# KiCad board type-c-card_lexxpluss_2023.kicad_pcb (continued)
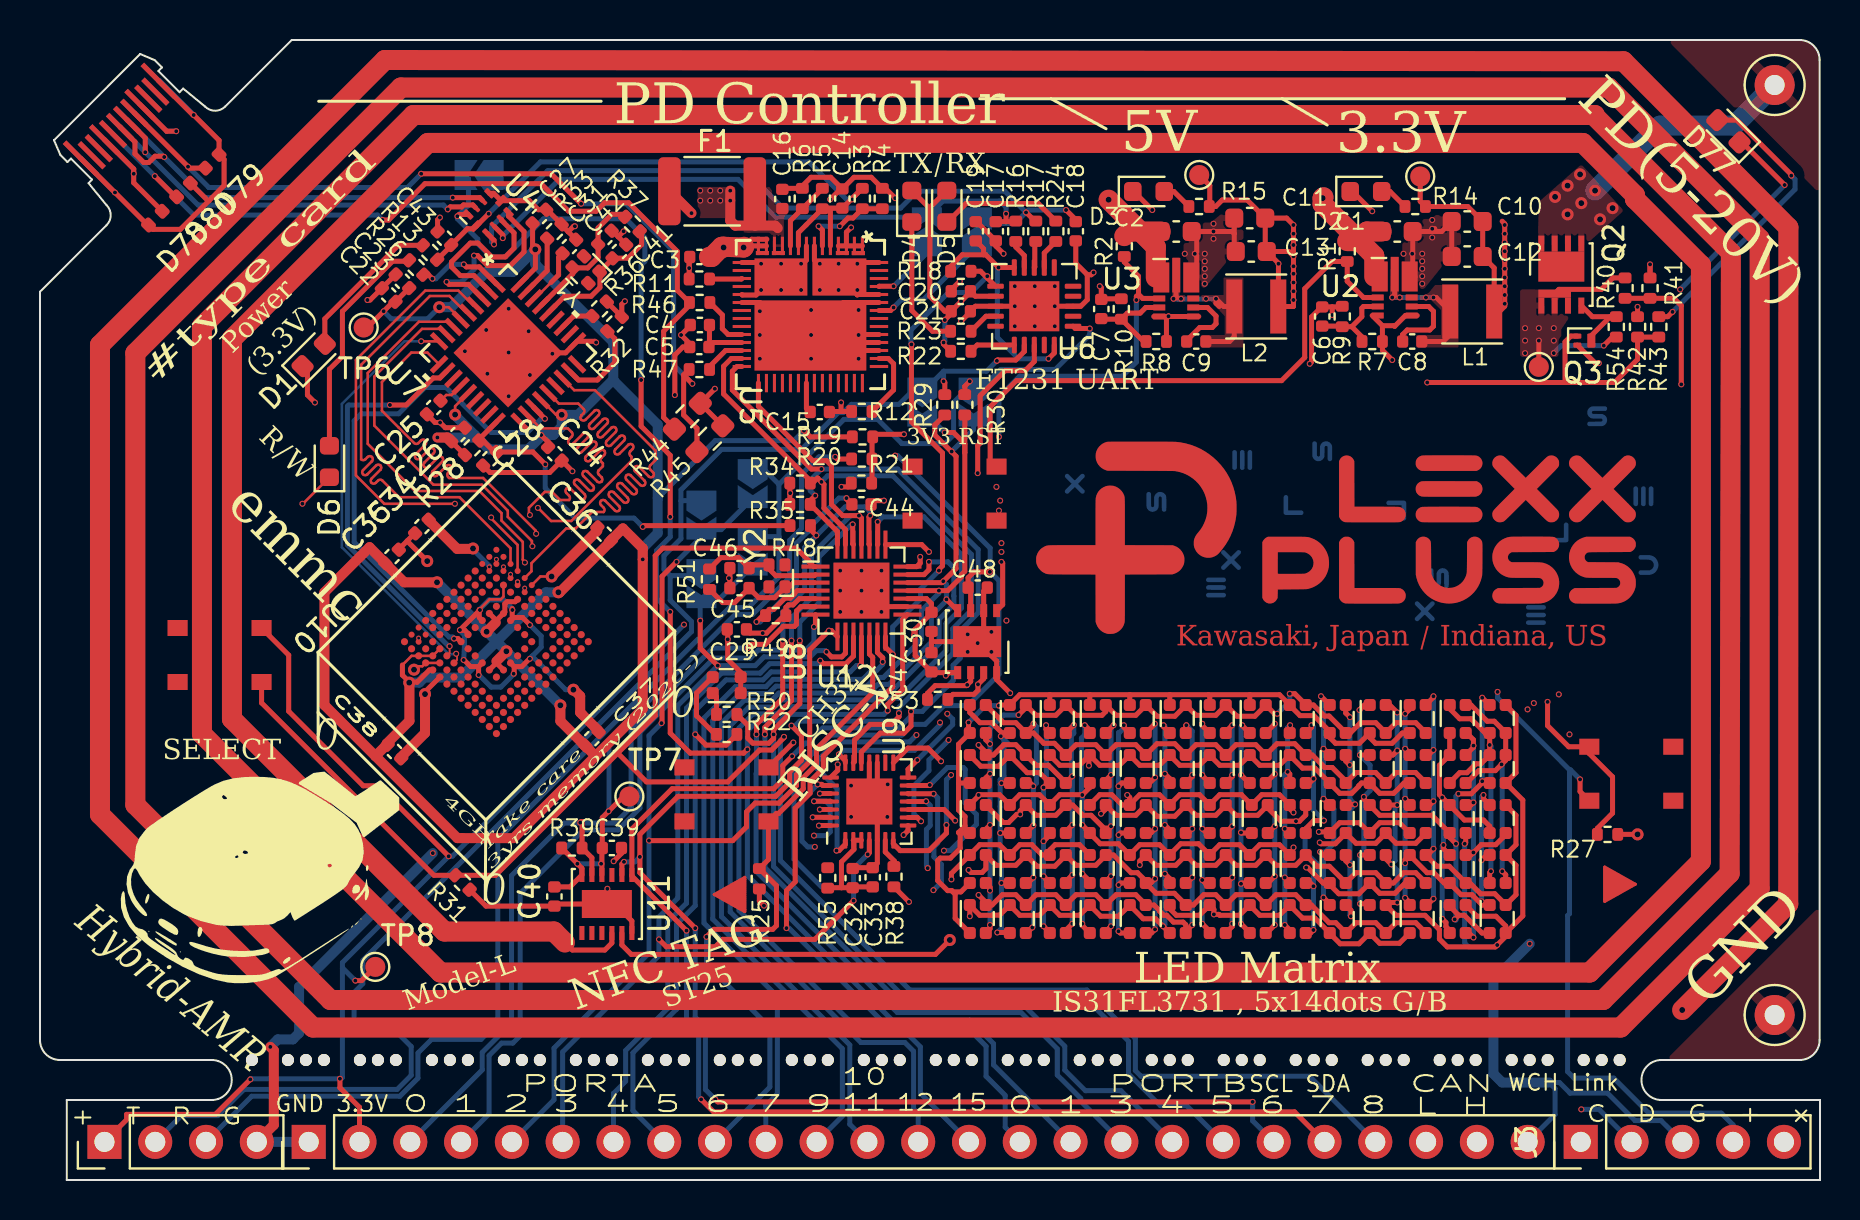
[diagram p0: board, top side]
## Routing (per net, layer and track width the routed paths; a pad name or vN(x,y) marks a point on that pad's centre or on a via; arc(x,y) is an arc through that point) (continued)
  In2.Cu w0.25: 45.9,18.06 45.8,17.97 v2(45.77,17.97) 46.52,18.72 48.58,18.72 v2(49.02,18.28) ; v2(55,15.75) 54.44,15.19 v2(53.56,15.19)
  Bottom w0.25: v2(53.56,12.69) v2(53.56,15.19) v2(53.56,17.69) v2(53.56,20.25) 53.56,22.61 v2(53.69,22.74)
Net-(D11-K1): length 64.1
  Top w0.25: U9.25 39.53,18.94 v2(38.71,18.94) ; D48.1 56.5,13.56 56.83,13.23 57.99,13.23 D49.1 58.5,13.73 58.71,13.53 v2(58.71,13.28) 58.95,13.28 59,13.23 59.99,13.23 D50.1 60.5,13.73 61,13.23 61.99,13.23 D51.1 62.5,13.73 63.14,13.09 63.76,13.09 D56.3 64.5,12.33 65.02,11.81 65.96,11.81 D65.3 66.5,12.33 67,11.83 67.99,11.83 D73.3 ; v2(53.94,17.25) 54.04,17.35 D29.3 ; D37.1 52.5,16.31 ; D37.1 51.99,16.77 50.76,16.77 50.5,16.5 D36.1 50.12,16.25 49.6,16.77 49,16.77 48.5,16.27 D35.1 47.99,16.77 47,16.77 46.5,16.27 D34.1 45.58,15.33 v2(45.58,15.03) ; D37.1 52.5,16.19 ; D37.1 52.5,16.23 ; D38.3 54.04,14.85 v2(53.94,14.75) ; v2(53.94,12.44) 54.03,12.35 D47.3 54.5,12.37 ; D11.3 54.2,22.65 v2(54.2,22.74) ; v2(53.94,19.69) 54.1,19.85 D20.3
  In2.Cu w0.25: v2(58.71,13.28) 58.69,13.26 54.76,13.26 v2(53.94,12.44) ; v2(38.71,17.22) 39.08,17.22 39.33,16.97 41.59,16.97 43.53,15.03 v2(45.58,15.03) 46.5,15.03 46.81,15.34 46.81,15.75 46.88,15.69 52.75,15.69 52.75,15.11 53.11,14.75 v2(53.94,14.75)
  Bottom w0.25: v2(54.2,22.74) 54.2,22.59 53.99,22.37 53.94,22.37 v2(53.94,19.69) v2(53.94,14.75) v2(53.94,12.44) ; v2(38.71,18.94) 39.3,18.94 39.52,18.72 39.52,17.41 39.33,17.22 v2(38.71,17.22)
Net-(D11-K2): length 48.6
  Top w0.25: v2(55.76,17.56) 55.55,17.35 D29.4 ; D73.4 69.3,12.37 68.8,12.86 67.81,12.86 D65.4 67.3,12.37 66.8,12.86 65.81,12.86 D56.4 65.3,12.37 64.8,12.86 64.47,12.86 63.58,13.75 D51.2 63.3,13.77 62.8,14.27 61.81,14.27 D50.2 61.3,13.77 60.8,14.27 59.81,14.27 D49.2 59.3,13.77 58.8,14.27 58.2,14.27 57.68,13.75 D48.2 57.3,13.77 56.73,14.33 55.81,14.33 D38.4 ; v2(55.76,15.06) 55.55,14.85 D38.4 ; D47.4 55.58,12.35 v2(55.76,12.53) ; D38.4 55.3,14.95 54.88,15.36 54.57,15.36 53.68,16.25 D37.2 53.3,16.23 52.8,15.73 51.81,15.73 D36.2 51.3,16.23 50.75,15.69 49.86,15.69 D35.2 49.3,16.23 48.8,15.73 47.81,15.73 D34.2 47.3,15.56 47.11,15.38 46.56,15.38 v2(46.44,15.5) ; D20.4 55.49,19.85 v2(55.76,20.12) ; v2(55.75,22.81) 55.75,22.8 D11.4 ; U9.11 44.3,18.92 v2(44.31,18.94)
  In2.Cu w0.25: v2(46.44,15.5) 46.28,15.66 44.46,15.66 v2(44.39,15.59)
  Bottom w0.25: 44.43,15.63 44.33,15.72 44.33,17.53 44.52,17.72 44.52,18.73 v2(44.31,18.94) ; v2(55.75,22.81) 55.76,22.8 v2(55.76,20.12) v2(55.76,17.56) v2(55.76,15.06) v2(55.76,12.53)
Net-(D12-K1): length 69
  Top w0.25: U9.26 39.54,18.52 v2(39,18.52) ; v2(56.25,17.75) 56.5,17.5 D30.3 ; v2(70.12,13.06) 70.31,12.88 70.31,12.67 70.5,12.48 D66.3 ; v2(56.19,22.74) 56.19,22.66 D12.3 ; D57.3 D58.1 69.99,20.73 69.99,19.27 v2(70.12,19.12) D59.1 70.5,18.73 71.23,18 72.19,18 72.5,17.69 D74.3 ; D48.3 v2(56.16,12.69) 55.79,13.06 55.17,13.06 54.5,13.73 D47.1 53.94,13.19 53.05,13.19 52.5,13.73 D46.1 51.99,13.23 51,13.23 50.5,13.73 D45.1 49.99,13.23 49,13.23 48.5,13.73 D44.1 47.99,13.24 47.61,13.24 47.6,13.23 47,13.23 46.5,13.73 D43.1 v2(46.5,13.19) ; D60.1 70.19,16.56 v2(70.19,16.75) ; v2(56.25,15.31) 56.5,15.07 D39.3 ; D21.3 56.5,20.07 v2(56.25,20.31)
  In2.Cu w0.25: v2(56.25,20.31) 56.25,19.93 57.25,18.94 60.8,18.94 61.37,19.5 63.86,19.5 64.2,19.84 69.41,19.84 v2(70.12,19.12) ; v2(39,18.52) 38.33,18.52 38.14,18.34 38.14,14.84 39.8,13.19 v2(46.5,13.19)
  Bottom w0.25: v2(70.12,19.12) 70.19,19.06 v2(70.19,16.75) 70.12,16.69 v2(70.12,13.06) ; v2(56.19,22.74) 56.25,22.67 v2(56.25,20.31) v2(56.25,17.75) v2(56.25,15.31) 56.25,12.78 v2(56.16,12.69)
Net-(D12-K2): length 64.5
  Top w0.25: v2(57.62,15.12) 57.35,14.85 D39.4 ; v2(57.62,20.25) 57.62,20.17 D21.4 ; U9.12 43.43,19.31 v2(44.69,19.31) ; D12.4 57.3,22.71 v2(57.33,22.74) ; D57.4 71.35,22.35 71.69,22.01 v2(71.69,21.72) 71.69,21.64 D58.2 ; v2(57.62,12.75) 57.3,12.42 D48.4 57.3,12.76 57.17,12.89 56.69,12.89 56.35,13.23 56.2,13.23 55.99,13.45 55.99,13.48 55.71,13.75 D47.2 55.3,13.77 54.8,14.27 53.81,14.27 D46.2 53.3,13.77 52.8,14.27 51.81,14.27 D45.2 51.3,13.77 50.8,14.27 49.81,14.27 D44.2 49.3,13.77 48.8,14.27 48.13,14.27 47.61,13.75 D43.2 47.3,13.89 v2(46.94,14.25) ; D74.4 73.3,17.26 72.8,16.77 72.08,16.77 v2(71.69,16.38) 71.56,16.25 D60.2 ; v2(71.69,12.12) 71.46,12.35 D66.4 ; D59.2 71.56,18.75 v2(71.69,18.88) ; v2(57.62,17.56) 57.41,17.35 D30.4
  In2.Cu w0.25: v2(71.69,21.72) 71.14,21.72 70.71,22.16 64.12,22.16 63.9,21.93 59.18,21.93 57.62,20.38 v2(57.62,20.25) ; v2(44.68,14.49) 44.67,14.5 44.69,14.5 44.94,14.25 v2(46.94,14.25)
  Bottom w0.25: v2(57.33,22.74) 57.62,22.44 v2(57.62,20.25) v2(57.62,17.56) v2(57.62,15.12) v2(57.62,12.75) ; v2(44.68,14.49) 45.08,14.89 45.08,15.78 44.71,16.16 44.71,16.66 44.89,16.84 44.89,19.11 v2(44.69,19.31) ; 71.69,22.01 v2(71.69,21.72) v2(71.69,18.88) v2(71.69,16.38) v2(71.69,12.12)
Net-(D13-K1): length 77.4
  Top w0.25: D49.3 58.5,12.44 v2(58.12,12.81) ; D55.1 64.18,16.25 v2(64.02,16.41) ; v2(58.12,20.25) 58.12,20.22 D22.3 ; D40.3 58.28,14.85 v2(58.12,15) ; D31.3 58.34,17.35 v2(58.12,17.56) ; v2(38.64,18.13) 39.53,18.13 U9.27 ; D58.3 70.5,19.87 71,20.36 71.37,20.36 71.81,20.81 72.06,20.81 D68.1 v2(72.5,21.75) D67.3 72.28,22.35 71.56,23.06 71,23.06 70.5,23.56 D57.1 ; v2(72.56,15.44) 72.5,15.38 D75.3 ; v2(58.12,22.81) 58.12,22.72 D13.3 ; D56.1 64.5,13.81 v2(64.19,14.12) ; D54.1 v2(64.19,19.06) ; D53.1 v2(64.19,21.56) ; v2(64.06,24.19) D52.1
  In2.Cu w0.25: v2(64.19,21.56) 64.41,21.78 66.33,21.78 67.02,21.09 71.84,21.09 v2(72.5,21.75) ; v2(38.64,18.13) 39.22,18.13 39.66,17.7 42.18,17.7 43.47,16.41 44.46,16.41 45.05,17 45.43,17 45.62,16.81 49.29,16.81 49.84,17.36 50.32,17.36 50.81,16.88 54.24,16.88 54.33,16.97 57.77,16.97 58.12,17.32 v2(58.12,17.56) 58.78,18.22 60.64,18.22 61.59,19.16 64.09,19.16 v2(64.19,19.06)
  Bottom w0.25: v2(72.56,15.44) 72.56,21.69 v2(72.5,21.75) ; v2(58.12,22.81) v2(58.12,20.25) v2(58.12,17.56) v2(58.12,15) v2(58.12,12.81) ; v2(64.06,24.19) 64.19,24.06 v2(64.19,21.56) v2(64.19,19.06) 64.71,18.54 64.71,16.83 64.28,16.41 v2(64.02,16.41) 64.19,16.24 v2(64.19,14.12)
Net-(D13-K2): length 75.6
  Top w0.25: v2(65.5,20.75) 65.3,20.95 D53.2 ; D56.2 65.56,13.49 v2(65.56,13.19) ; D54.2 65.33,18.78 v2(65.77,18.78) ; v2(59.62,17.69) 59.3,17.36 D31.4 ; D58.4 71.34,19.85 71.96,20.47 72.78,20.47 v2(73.09,20.78) 73.3,20.99 D68.2 D67.4 73.3,22.37 72.73,22.94 72.38,22.94 71.56,23.75 D57.2 ; v2(44.5,19.75) 44.47,19.72 U9.13 ; D49.4 59.62,12.67 v2(59.62,12.81) ; v2(59.62,22.74) 59.3,22.41 D13.4 ; D40.4 59.35,14.85 v2(59.62,15.12) ; D52.2 65.3,23.35 v2(65.51,23.14) ; D22.4 59.62,20.17 v2(59.62,20.25) ; v2(65.51,15.75) 65.3,15.96 D55.2 ; v2(73.12,15.44) 73.3,15.26 D75.4
  In2.Cu w0.25: v2(45.21,16.47) 54.46,16.47 54.62,16.63 58.57,16.63 v2(59.62,17.69) ; v2(73.09,20.78) 73.06,20.75 v2(65.5,20.75) 65.12,21.12 60.31,21.12 59.62,20.44 v2(59.62,20.25)
  Bottom w0.25: v2(44.5,19.75) 45.38,20.62 46.18,20.62 46.27,20.53 46.27,18.84 46.83,18.28 46.83,17.78 45.52,16.47 v2(45.21,16.47) ; v2(59.62,12.81) v2(59.62,15.12) v2(59.62,17.69) v2(59.62,20.25) v2(59.62,22.74) ; v2(73.12,15.44) 73.12,20.75 v2(73.09,20.78) ; v2(65.56,13.19) 65.51,13.24 v2(65.51,15.75) 65.51,18.52 v2(65.77,18.78) 65.51,19.04 v2(65.51,23.14)
Net-(D14-K1): length 76.7
  Top w0.25: v2(60.06,14.81) 60.1,14.85 D41.3 ; v2(60.06,12.81) 60.5,12.38 D50.3 ; D32.3 60.09,17.35 v2(60.06,17.38) ; v2(70.81,16.81) 70.5,17.12 D59.3 69.62,18.23 67,18.23 66.5,18.73 D63.1 66.21,19.04 v2(66.21,19.16) ; U9.28 38.96,17.72 v2(38.96,17.72) ; D61.1 66.24,23.75 v2(65.99,23.5) ; v2(70.94,19.31) 71.58,19.31 72.12,19.86 v2(72.12,19.94) 72.21,19.85 D68.3 ; D14.3 60.12,22.72 v2(60.12,22.74) ; D23.3 60.47,19.85 v2(60.07,20.25) ; 70.5,13.88 D66.1 70.5,13.69 70.95,13.23 ; 70.95,13.23 v2(70.75,13.03) ; 70.95,13.23 71.23,13.23 72.12,12.35 D76.3 ; D64.1 v2(66.02,16.25) ; v2(72.12,24.11) 72.49,23.75 D67.1 ; v2(66.02,13.81) 66.44,13.81 D65.1 ; v2(66.01,21.25) D62.1
  In2.Cu w0.25: v2(38.96,17.72) 39.16,17.72 39.56,17.31 41.88,17.31 43.16,16.03 46.56,16.03 46.66,16.13 58.81,16.13 v2(60.06,17.38) 60.25,17.19 62.66,17.19 64.19,15.66 64.52,15.66 65.11,16.25 v2(66.02,16.25)
  Bottom w0.25: v2(60.06,12.81) v2(60.06,14.81) v2(60.06,17.38) 60.06,20.24 v2(60.07,20.25) 60.07,22.68 v2(60.12,22.74) ; v2(66.02,13.81) v2(66.02,16.25) 66.21,16.44 v2(66.21,19.16) 66.52,19.47 66.52,20.74 v2(66.01,21.25) 66.01,23.48 v2(65.99,23.5) ; v2(70.94,19.31) 70.81,19.19 v2(70.81,16.81) 70.81,13 v2(70.75,13.03) ; v2(72.12,24.11) v2(72.12,19.94)
Net-(D14-K2): length 84.6
  Top w0.25: v2(67.88,13.88) 67.43,13.88 D65.2 67.81,13.23 69.26,13.23 69.99,12.52 69.99,12.05 70.38,11.66 72.78,11.66 v2(72.88,11.75) 73.3,12.17 D76.4 ; D41.4 61.41,14.85 v2(61.75,15.19) ; v2(67.88,21.47) 67.65,21.25 D62.2 ; D61.2 67.5,23.75 v2(67.88,23.38) ; D32.4 61.41,17.35 v2(61.75,17.69) ; D14.4 61.75,22.8 v2(61.75,22.81) ; D64.2 67.3,16.06 v2(67.58,15.78) ; D76.4 73.3,12.7 72.81,13.19 71.86,13.19 D66.2 ; D76.4 74.16,13.2 74.16,19 D68.4 73.81,20.36 73.81,23.23 D67.2 ; v2(61.75,20.3) D23.4 ; U9.14 43.41,20.54 v2(43.88,21) ; v2(61.75,12.75) 61.35,12.35 D50.4 ; D63.2 v2(67.88,18.75) ; v2(71.25,16.81) 71.3,16.86 D59.4
  In2.Cu w0.25: v2(67.88,18.75) 67.34,18.22 65.58,18.22 65.33,18.47 64.02,18.47 63.66,18.82 62.19,18.82 61.75,18.39 v2(61.75,17.69) ; v2(45.38,23.31) 48.47,23.31 48.78,23.62 49.09,23.62 49.31,23.41 61.16,23.41 v2(61.75,22.81)
  Bottom w0.25: v2(67.88,23.38) v2(67.88,21.47) v2(67.88,18.75) 67.77,18.64 67.77,15.97 v2(67.58,15.78) 67.88,15.49 v2(67.88,13.88) ; v2(45.38,23.31) 45.64,23.04 45.64,22.77 v2(43.88,21) ; v2(61.75,22.81) v2(61.75,20.3) v2(61.75,17.69) v2(61.75,15.19) v2(61.75,12.75) ; v2(72.88,11.75) 72.78,11.66 71.44,11.66 71.25,11.84 v2(71.25,16.81)
Net-(D15-K1): length 96
  Top w0.25: v2(62.25,12.75) 62.5,12.5 D51.3 ; D74.1 72.19,19.06 v2(72.19,19.25) ; D71.1 68.5,18.83 v2(68.27,19.06) ; v2(68.27,15.84) 68.27,16.02 D72.1 68.5,16.23 69.37,15.36 69.7,15.36 70.22,14.85 D60.3 70.5,14.83 71.07,14.27 71.61,14.27 72.12,13.75 D76.1 ; D33.3 62.46,17.35 v2(62.25,17.56) ; v2(68.27,21.56) 68.5,21.33 D70.1 ; D69.1 68.5,23.54 v2(68.27,23.31) ; D75.1 72.34,16.25 v2(72.09,16) ; D73.1 68.5,13.88 v2(68.27,14.1) ; D24.3 62.5,20.3 v2(62.39,20.41) ; D42.3 62.5,14.88 v2(62.25,15.12) ; v2(62.52,22.74) 62.5,22.72 D15.3 ; U9.1 40.28,16.79 39.96,16.47 v2(39.83,16.47)
  In2.Cu w0.25: v2(62.52,22.74) 62.98,22.28 63.77,22.28 64.08,22.59 67.62,22.59 68.27,23.24 v2(68.27,23.31) ; v2(62.39,20.41) 62.58,20.59 65.12,20.59 65.34,20.38 73.22,20.38 73.47,20.63 73.47,21.31 72.28,22.5 63.98,22.5 63.76,22.27 59.04,22.27 58.61,21.84 49.9,21.84 49.33,21.28 45.4,21.28 44.43,22.25 v2(43.83,22.25)
  Bottom w0.25: v2(72.19,19.25) 72.09,19.16 v2(72.09,16) v2(72.09,13.94) ; v2(68.27,23.31) v2(68.27,21.56) v2(68.27,19.06) v2(68.27,14.1) ; v2(62.52,22.74) 62.39,22.62 v2(62.39,20.41) 62.25,20.26 v2(62.25,17.56) v2(62.25,15.12) v2(62.25,12.75) ; v2(43.83,22.25) 43.49,21.91 39.82,21.91 38.89,20.98 38.89,20.54 39.86,19.57 39.86,16.5 v2(39.83,16.47)
Net-(D15-K2): length 67.6
  Top w0.25: v2(63.69,12.5) 63.54,12.35 D51.4 ; D70.2 69.44,21.25 v2(69.69,21.5) ; D74.2 73.81,18.23 73.81,16.77 D75.2 73.81,15.73 73.81,14.27 D76.2 73.3,13.77 72.75,14.31 72.04,14.31 71.51,14.85 D60.4 71.3,14.87 70.48,15.69 69.86,15.69 D72.2 69.38,16.25 v2(69.69,16.56) ; v2(69.69,14.06) 69.38,13.75 D73.2 ; D24.4 63.47,19.85 v2(63.69,20.06) ; v2(64.21,17.97) 63.71,17.97 63.3,17.56 D33.4 ; v2(45.06,20.94) 44.41,21.59 43.41,21.59 42.68,20.86 ; D42.4 63.53,14.85 v2(63.69,14.69) ; D71.2 69.5,18.75 v2(69.69,18.94) ; v2(69.69,24.19) 69.69,24.14 D69.2 ; v2(63.59,22.74) 63.59,22.64 D15.4
  In2.Cu w0.25: v2(69.69,18.94) 68.56,17.81 65.49,17.81 65.33,17.97 v2(64.21,17.97) ; v2(45.06,20.94) 45.26,20.94 45.52,20.68 47.35,20.68 47.36,20.69 49.22,20.69 50,21.47 56.1,21.47 56.89,20.68 56.89,20.12 57.42,19.59 60.98,19.59 61.23,19.84 63.47,19.84 v2(63.69,20.06)
  Bottom w0.25: v2(63.69,12.5) v2(63.69,14.69) 63.69,15.14 63.85,15.3 63.85,15.83 63.27,16.41 63.27,17.53 63.71,17.97 v2(64.21,17.97) 63.69,18.49 v2(63.69,20.06) 63.69,22.64 v2(63.59,22.74) ; v2(69.69,14.06) v2(69.69,16.56) v2(69.69,18.94) v2(69.69,21.5) v2(69.69,24.19)
Net-(D16-A1): length 60.2
  Top w0.25: D71.3 67.99,17.86 67,17.86 66.5,17.37 D63.3 65.99,17.86 65,17.86 64.5,17.37 D54.3 64.44,17.41 v2(63.96,17.41) ; D9.3 50.31,22.54 v2(50.31,22.74) ; D28.1 52.5,18.77 53,19.27 53.6,19.27 54.12,18.75 D29.1 ; D16.1 46.5,21.23 47.05,20.69 47.94,20.69 D17.1 48.5,21.23 49.37,20.36 49.99,20.36 D18.3 50.41,19.85 v2(50.19,19.62) ; v2(50.19,12.69) 50.5,12.38 D45.3 ; D29.1 54.5,19.12 v2(54.38,19.25) ; D29.1 54.5,18.77 55,19.27 55.99,19.27 D30.1 56.5,18.77 57,19.27 57.99,19.27 D31.1 58.5,18.77 59,19.27 60.09,19.27 D32.1 60.6,18.77 61.1,19.27 61.99,19.27 D33.1 62.5,18.56 v2(62.69,18.38) ; U9.23 39.15,19.72 39.09,19.78 v2(38.89,19.78) ; D27.3 50.5,17.25 v2(50.19,16.94) ; D36.3 50.5,14.88 v2(50.19,15.19)
  In2.Cu w0.25: v2(50.19,19.62) 52.44,19.62 52.81,19.25 v2(54.38,19.25) ; v2(63.96,17.41) 63.83,17.41 63.32,17.92 63.32,18.11 63.06,18.38 v2(62.69,18.38) ; v2(50.19,15.19) 50.19,15.1 48.96,13.88 44.12,13.88 42.47,15.53 39.58,15.53 38.75,16.36 v2(38.75,16.66)
  Bottom w0.25: v2(38.89,19.78) 38.11,18.99 38.11,16.94 38.39,16.66 v2(38.75,16.66) ; v2(50.19,12.69) v2(50.19,15.19) v2(50.19,16.94) v2(50.19,19.62) 50.33,19.77 50.33,22.72 v2(50.31,22.74)
Net-(D16-A2): length 49.1
  Top w0.25: D36.4 51.3,14.92 v2(51.62,15.25) ; v2(51.7,22.75) D9.4 ; v2(53.06,18.31) 53.3,18.55 D28.2 53.81,18.23 54.8,18.23 55.3,18.73 D29.2 55.86,18.19 56.75,18.19 57.3,18.73 D30.2 57.81,18.23 58.8,18.23 59.3,18.73 D31.2 59.81,18.23 60.9,18.23 61.4,18.73 D32.2 61.4,18.6 62.06,17.94 v2(62.81,17.94) 62.99,17.94 63.3,18.25 D33.2 ; D45.4 51.3,12.49 v2(51.62,12.81) ; U9.9 43.88,18.12 v2(44.06,17.94) ; D71.4 69.3,17.33 68.8,16.83 67.81,16.83 D63.4 67.3,17.33 66.8,16.83 65.81,16.83 D54.4 65.3,17.33 64.78,16.81 64.06,16.81 v2(64,16.88) ; D27.4 51.3,17.42 v2(51.62,17.75) ; v2(51.62,20.19) 51.3,19.86 D18.4 51.3,19.87 50.43,20.73 49.81,20.73 D17.2 49.3,21.27 48.8,21.77 48.2,21.77 47.68,21.25 D16.2 47.3,21.39 v2(46.94,21.75)
  In2.Cu w0.25: v2(46.94,21.75) 45.69,21.75 v2(45.44,22) ; v2(62.81,17.94) 62.81,17.69 63.63,16.88 v2(64,16.88) ; v2(53.06,18.31) 51.86,18.31 51.62,18.07 v2(51.62,17.75)
  Bottom w0.25: v2(51.7,22.75) 51.7,22.33 51.58,22.21 51.58,20.23 v2(51.62,20.19) v2(51.62,17.75) v2(51.62,15.25) v2(51.62,12.81) ; v2(44.06,17.94) 43.71,18.29 43.71,19.72 44.46,20.47 44.46,21 45.44,21.98 v2(45.44,22)
Net-(D17-K1): length 56.5
  Top w0.25: v2(39.89,20.78) 39.89,20.48 U9.22 ; v2(48.08,14.85) D35.3 ; v2(48.05,22.19) 48.21,22.35 D8.3 48.12,22.35 47.6,22.86 47.01,22.86 46.5,23.38 D7.1 ; v2(47.88,12.38) 48.47,12.38 D44.3 ; D19.1 52.5,21.23 53,20.73 53.99,20.73 D20.1 54.5,21.23 55,20.73 55.99,20.73 D21.1 56.5,21.23 57,20.73 57.99,20.73 D22.1 58.5,21.23 59,20.73 59.99,20.73 D23.1 60.5,21.23 61,20.73 61.99,20.73 D24.1 62.5,21.23 63.14,20.59 63.76,20.59 D53.3 64.5,19.83 65,19.33 65.6,19.33 65.96,19.69 65.96,19.72 66.09,19.85 D62.3 66.5,19.83 67,19.33 67.7,19.33 68.21,19.85 D70.3 ; D19.1 51.99,20.73 51,20.73 50.5,21.23 ; D19.1 52.46,21.21 v2(52.46,20.72) ; v2(48.02,17.35) D26.3 ; D17.3 48.09,19.85 v2(48.08,19.84) ; D18.1 50.5,21.27
  In2.Cu w0.25: v2(39.89,20.78) 39.21,20.78 38.96,21.03 38.96,21.59 39.39,22.03 43.14,22.03 43.71,21.47 44.14,21.47 44.36,21.25 44.36,20.62 45.39,19.59 45.96,19.59 46.21,19.84 v2(48.08,19.84) 49.02,19.84 49.89,20.72 v2(52.46,20.72)
  Bottom w0.25: 48.45,21.79 v2(48.05,22.19) 48.21,22.03 48.21,20.21 48.02,20.02 48.02,19.91 v2(48.08,19.84) 48.02,19.78 v2(48.02,17.35) 48.02,15.84 48.08,15.78 v2(48.08,14.85) 48.08,12.58 v2(47.88,12.38)
Net-(D17-K2): length 48.2
  Top w0.25: D7.2 48.19,22.86 48.8,22.86 49.3,22.37 D8.4 ; v2(43.19,17.25) 43.41,17.47 U9.8 ; D70.4 69.3,19.87 68.79,20.38 67.82,20.38 D62.4 67.3,19.87 66.79,20.38 65.82,20.38 D53.4 65.3,19.95 64.62,20.62 64.25,20.62 63.62,21.25 D24.2 63.3,21.27 62.75,21.81 61.86,21.81 D23.2 61.3,21.27 60.8,21.77 59.81,21.77 D22.2 59.3,21.27 58.8,21.77 57.81,21.77 D21.2 57.3,21.27 56.75,21.81 55.86,21.81 D20.2 55.3,21.27 54.8,21.77 53.81,21.77 D19.2 53.3,21.27 52.8,21.77 51.81,21.77 D18.2 51.3,21.27 50.73,21.83 50.2,21.83 49.68,22.35 D8.4 ; v2(49.68,15.12) 49.4,14.85 D35.4 ; D8.4 49.69,22.74 v2(49.69,22.81) ; D44.4 49.35,12.35 v2(49.62,12.62) ; v2(49.68,19.69) 49.51,19.85 D17.4 ; D26.4 49.68,17.73 v2(49.68,17.73)
  In2.Cu w0.25: v2(43.19,17.25) 43.53,16.91 44.48,16.91 44.91,17.34 46.7,17.34 46.89,17.53 46.89,17.78 47.33,18.22 48.02,18.22 48.51,17.73 v2(49.68,17.73)
  Bottom w0.25: v2(49.62,12.62) 49.68,12.68 v2(49.68,15.12) v2(49.68,17.73) v2(49.68,19.69) 49.83,19.84 49.83,22.67 v2(49.69,22.81)
Net-(D77-A): length 15.4
  Top w0.25: R43.2 81.4,43.17 v2(81.64,43.41) ; 83.88,53.31 D77.2 84.86,52.99 87.58,50.27 v2(87.58,50.22)
  Bottom w0.25: v2(81.64,43.41) 87.77,49.53 87.77,50.03 v2(87.58,50.22)
Net-(D78-A2): length 16.3
  Top w0.25: U5.13 35.26,46.7 35.21,46.66 35.59,47.04 36.35,47.04 ; U1.A4 4.69,50.55 v2(4.69,50.31) 4.69,49.86 D78.2 ; U1.A9 6.34,52.44 v2(6.81,52.44)
  Top w1: 35.21,46.66 v3(35.19,46.62) 34.22,46.66 v3(34.19,46.62) 34.15,46.66 34.1,46.66 33.59,46.15 33.46,46.15
  Bottom w0.25: v2(4.69,50.31) 4.69,50.55 U1.A4 ; U1.A9 6.34,52.44 v2(6.81,52.44)
Net-(D81-A1): length 1.1
  Top w0.25: D81.1 33.83,24.16 R50.2
Net-(D81-A2): length 3.7
  Top w0.25: R52.2 33.77,22.28 32.83,23.22 32.83,24.35 33.63,25.14 D81.2
Net-(J3-Pin_1): length 60.7
  Top w0.25: U12.22 44.09,31.77 v2(44.46,31.41)
  In1.Cu w0.25: v2(75.96,24.28) 75.96,24.55 75.67,24.83 75.67,26.38 73.64,28.41 61.21,28.41 58.2,31.42 48.09,31.42 v2(48.08,31.41) 48.07,31.42
  In2.Cu w0.25: v2(75.96,24.28) 75.96,22.28 76.15,22.09 76.15,2.81 J3.1 ; v2(44.46,31.41) v2(48.08,31.41)
Net-(J3-Pin_2): length 81.8
  Top w0.25: U12.21 43.84,30.67 44.02,30.84 v2(44.02,31.16)
  In1.Cu w0.25: v2(76.49,22.28) 76.49,23.38 78.02,24.91 81.71,24.91 82.02,25.22 82.02,35.91 81.71,36.22 79.27,36.22 75.52,32.47 48.96,32.47 48.33,31.84 v2(48.08,31.84)
  In2.Cu w0.25: v2(44.02,31.16) 44.02,31.68 44.19,31.84 v2(48.08,31.84) ; v2(77.08,3.53) 76.49,4.12 v2(76.49,22.28)
  Bottom w0.25: v2(77.08,3.53) 77.97,3.53 J3.2
Net-(JP1-A): length 3.1
  Top w0.25: U5.53 41.97,44.69 v2(42.69,44.69)
  Bottom w0.25: JP1.1 44.3,46.69 ; 44.3,46.3 v2(42.69,44.69)
Net-(JP2-A): length 6.2
  Top w0.25: v2(42.69,43.62) 42.54,43.48 U5.50
  Bottom w0.25: v2(42.69,43.62) 43.07,44.01 44.18,44.01 JP2.1
Net-(JP5-A): length 32.2
  Top w0.25: R13.1 20.56,46.72 C43.1 21.38,47.56 21.66,47.56 U4.10 21.82,47.69 v2(22.44,48.31) ; v2(40.64,49.03) 40.64,49.1 R3.1 41.12,49.58 C14.1 ; U5.5 39.53,48.49 ; 40.09,48.56 C14.1 ; C14.1 39.16,48.59 R5.1 37.93,47.37 U5.9
  Bottom w0.25: 23.47,49.34 23.47,49.47 JP5.1 ; 23.47,49.34 v2(22.44,48.31) ; 23.47,49.34 25.03,50.91 38.46,50.91 40.33,49.03 v2(40.64,49.03)
Net-(Q2-D-Pad5): length 11.2
  Bottom w1: v3(77.77,49.47) 81.02,52.72 84.72,52.72 TP4.1
  vias: v3(75.77,49.16) v3(76.39,49.72) v3(76.39,48.28) v3(77.02,50.28) v3(77.08,48.84) v3(78.02,48.03) v3(78.64,48.59)
Net-(Q2-G): length 3.9
  Top w0.25: Q2.4 77.63,43.17 R54.1 78.53,43.17 77.58,42.22 Q3.3
Net-(U2-BST): length 3.7
  Top w0.25: 68.87,43.67 69.45,43.67 69.69,43.44 69.69,42.69 69.5,42.5 68.38,42.5 68.15,42.27 C8.2
Net-(U2-EN): length 28.6
  Top w0.25: 66.62,44.13 66.19,44.13 65.38,44.94 65.38,45.92 64.61,45.92 63.25,44.56 63.25,41.12 62.09,39.97 48.83,39.97 47.52,38.66 47.52,35.99 SW1.2
Net-(U2-FB): length 4.1
  Top w0.25: 65.6,42.67 66.12,42.15 R7.2 ; 65.6,42.67 65.12,42.67 65.09,42.69 C6.1 ; 65.6,42.67 66.11,43.17 66.11,43.59 66.19,43.67 66.62,43.67
Net-(U2-VIN): length 47.3
  Top w0.5: v2(32.58,48.34) 31.49,49.44 F1.2
  Top w1: 55.8,45.12 55.8,46.65 v3(53.44,49.02) ; 65.94,47 66.73,46.21 66.73,45.17 ; 65.94,47 64.14,48.79 v3(64.14,49.09) 64.19,49.14 ; 65.94,47 65.88,46.95 R1.2 ; 65.94,47 66.36,47.42 C1.1 ; R2.2 54.46,47.42 C2.1
  In2.Cu w0.5: v2(32.58,48.34) 46.83,48.34 47.52,49.03 53.42,49.03 v3(53.44,49.02) 53.46,49.03 64.08,49.03 v3(64.14,49.09)
  Bottom w1: 64.19,49.14 v3(64.14,49.09)
Net-(U3-BST): length 3.3
  Top w0.25: 57.95,43.63 58.39,43.63 58.81,43.2 58.81,42.81 58.62,42.62 58,42.62 57.34,41.97 C9.2
Net-(U3-FB): length 4.6
  Top w0.25: R10.1 53.1,43.04 C7.1 ; R10.1 54.38,43.34 55.02,43.34 55.3,43.63 55.7,43.63 ; R10.1 55.19,41.92 R8.2
Net-(U4-2D+): length 8.3
  Top w0.25: U4.3 23.08,47.98 23.71,47.36 23.71,46.59 23.27,46.16 22.59,46.16 21.9,46.84 21.52,46.84 20.58,45.91 20.58,45.66 21.02,45.22 21.71,45.22 U7.2
Net-(U4-2D-): length 9.7
  Top w0.25: v2(21.71,46.22) 21.89,46.22 22.39,45.72 23.52,45.72 24.21,46.41 24.21,47.42 23.43,48.19 U4.4 ; v2(20.33,44.91) 20.46,44.78 21.43,44.78 U7.3
  Bottom w0.25: v2(20.33,44.91) 21.08,44.91 21.71,45.53 v2(21.71,46.22)
Net-(U4-D+): length 21.6
  Top w0.25: 4.36,53 U1.B6 5.26,52.1 v2(5.26,51.39) ; v2(20.39,48.53) 20.52,48.66 21.08,48.66 21.18,48.75 21.65,48.75 U4.8
  Bottom w0.25: v2(20.39,48.53) 20.18,48.75 7.9,48.75 v2(5.26,51.39) U1.A6
Net-(U4-D-): length 22.9
  Top w0.25: v2(6.21,51.15) 6.17,51.19 5.75,51.19 5.44,50.88 5.19,50.88 4.75,51.31 4.75,51.9 U1.B7 4,52.65 ; U4.7 21.99,49.12 v2(20.64,49.12)
  Bottom w0.25: v2(20.64,49.12) 8.24,49.12 v2(6.21,51.15) U1.A7
Net-(U5-ADCIN1): length 4.6
  Top w0.25: v2(40,47.69) 40.41,48.1 40.66,48.1 R3.2 ; R3.2 41.1,48.56 ; R3.2 R4.1 ; U5.6 39.13,47.5 v2(38.94,47.69)
  Bottom w0.25: v2(38.94,47.69) v2(40,47.69)
Net-(U5-ADCIN2): length 3.5
  Top w0.25: R5.2 39.12,49.56 R6.1 37.53,47.97 U5.10
Net-(U5-C_CC1): length 2.7
  Top w0.25: U5.24 34.41,42.27 34.12,42.56 34.12,43.25 R46.2
Net-(U5-C_CC2): length 2.1
  Top w0.25: U5.26 34.29,41.48 33.49,40.67 R47.2
Net-(U5-DRAIN1-Pad15): length 7.1
  Top w0.25: U5.19 35.13,44.25 35.81,44.25 v2(36.06,44.5) 36.4,44.5 U5.58 ; U5.58 37.48,45.15 38.06,45.73 v2(38.06,45.81) 38.14,45.81 38.33,46 U5.8 ; U5.58 36.33,45.88 36.19,45.88 36.06,45.75 35.94,45.88 U5.15
  vias: v2(36.06,45.81) v2(37.06,45.81) v2(37.06,44.5) v2(38.06,44.5)
Net-(U5-DRAIN2-Pad52): length 7.2
  Top w0.25: 39.98,45.15 40.63,44.5 v2(40.88,44.5) 40.88,44.25 40.85,44.28 U5.52 ; 39.98,45.15 39.58,45.15 39,45.73 v2(39,45.81) 38.91,45.81 38.73,46 U5.7 ; 39.98,45.15 40.7,45.88 40.81,45.88 v2(40.88,45.81) 40.94,45.88 U5.56
  vias: v2(39,44.5) v2(39.94,45.81) v2(39.94,44.5)
Net-(U5-GPIO1): length 1.6
  Top w0.25: R11.2 35.08,45.05 U5.17
Net-(U5-HRESET): length 3.7
  Top w0.25: U5.44 42.43,41.07 42.69,40.81 42.69,39.5 R12.1
Net-(U5-LDO_1V8): length 1.5
  Top w0.25: U5.35 38.33,38.59 C15.1
Net-(U5-PP_CABLE): length 2.8
  Top w0.25: C4.1 33.48,41.67 33.46,41.65 33.68,41.88 U5.25
Net-(U6-3V3OUT): length 12.1
  Top w0.25: U6.20 50.72,41.35 v2(50.44,41.06) ; 47.19,46.26 46.12,46.26 45.54,45.68 R18.2 ; 47.19,46.26 47.19,46.57 C19.2 ; 47.19,46.26 47.3,46.26 v2(47.94,45.62) U6.10
  Bottom w0.25: v2(47.94,45.62) 47.88,45.56 47.88,42.12 48.94,41.06 v2(50.44,41.06)
Net-(U6-CBUS1): length 1.5
  Top w0.25: U6.14 47.31,43.19 R23.2
Net-(U6-CBUS2): length 1.5
  Top w0.25: R24.2 50.22,46.35 U6.7
Net-(U6-CBUS3): length 2.3
  Top w0.25: R22.2 46.87,41.75 U6.16
Net-(U6-USBDM): length 1.5
  Top w0.25: U6.9 49.22,46.23 48.8,46.65 R16.2
Net-(U6-USBDP): length 1.3
  Top w0.25: R17.2 49.75,46.88 49.75,45.65 U6.8
Net-(U7-GPIO1(LED)): length 4.5
  Top w0.25: v2(19.62,45.06) 19.38,45.31 19.22,45.31 R26.1 ; v2(21.2,45.78) 21.32,45.66 21.97,45.66 22.82,44.81 U7.1
  Bottom w0.25: v2(21.2,45.78) 20.52,45.78 19.8,45.06 v2(19.62,45.06)
Net-(U7-GPIO6(SD_WP)/MS_SCLK): length 1.7
  Top w0.25: U7.30 26.68,43.2 27.62,43.2
Net-(U7-GPIO15(SD_NCD)): length 4.5
  Top w0.25: R32.1 28.75,42.06 28.75,40.88 27.88,40 26.93,40 U7.26
Net-(U7-RBIAS): length 3
  Top w0.25: U7.35 25.36,45.47 R33.1
Net-(U7-RESET_N): length 19
  Top w0.25: U7.18 22.09,37.16 22.09,37.04 22.7,36.42 ; R48.2 30.21,32.72 v2(30.14,32.66) ; v2(25.27,35.78) 24.65,36.4 C28.1
  Bottom w0.25: v2(25.27,35.78) 25.27,34.59 26.77,33.09 29.71,33.09 v2(30.14,32.66)
Net-(U7-XTAL1(CLKIN)): length 7.2
  Top w0.25: 29.36,48.29 28.59,48.29 27.91,47.6 C42.2 27.91,46.12 27.39,45.6 26.66,45.6 Y1.3 26.64,45.31 U7.33
Net-(U7-XTAL2): length 7.4
  Top w0.25: 30.09,47.56 30.09,46.77 29.4,46.09 28.64,46.09 C41.1 28.64,46.06 Y1.1 28,45.39 28,44.63 27.56,44.19 26.24,44.19 U7.32
Net-(U9-R_EXT): length 1.4
  Top w0.25: U9.6 42.28,16.4 42.72,15.95 42.72,15.76
Net-(U9-VCC): length 5.3
  Top w0.25: U9.3 40.68,16.99 40.71,16.96 40.71,16.53 40.08,15.91 40.08,14.61 ; C33.1 40.69,14.66 C32.1 40.08,14.61 ; 40.08,14.61 39.41,14.61 R55.2
Net-(U10A-VDDi): length 4.3
  Top w0.127: v1(22.47,30.66) U10.C2
  Top w0.5: 19.42,33.01 19.42,33 20.86,31.56 21.64,31.56 v3(21.66,31.58)
  Bottom w0.25: 22.47,30.72 22.46,30.72 21.66,31.52 v3(21.66,31.58)
